# KiCad board Latest-Full-Backplane.kicad_pcb (continued)
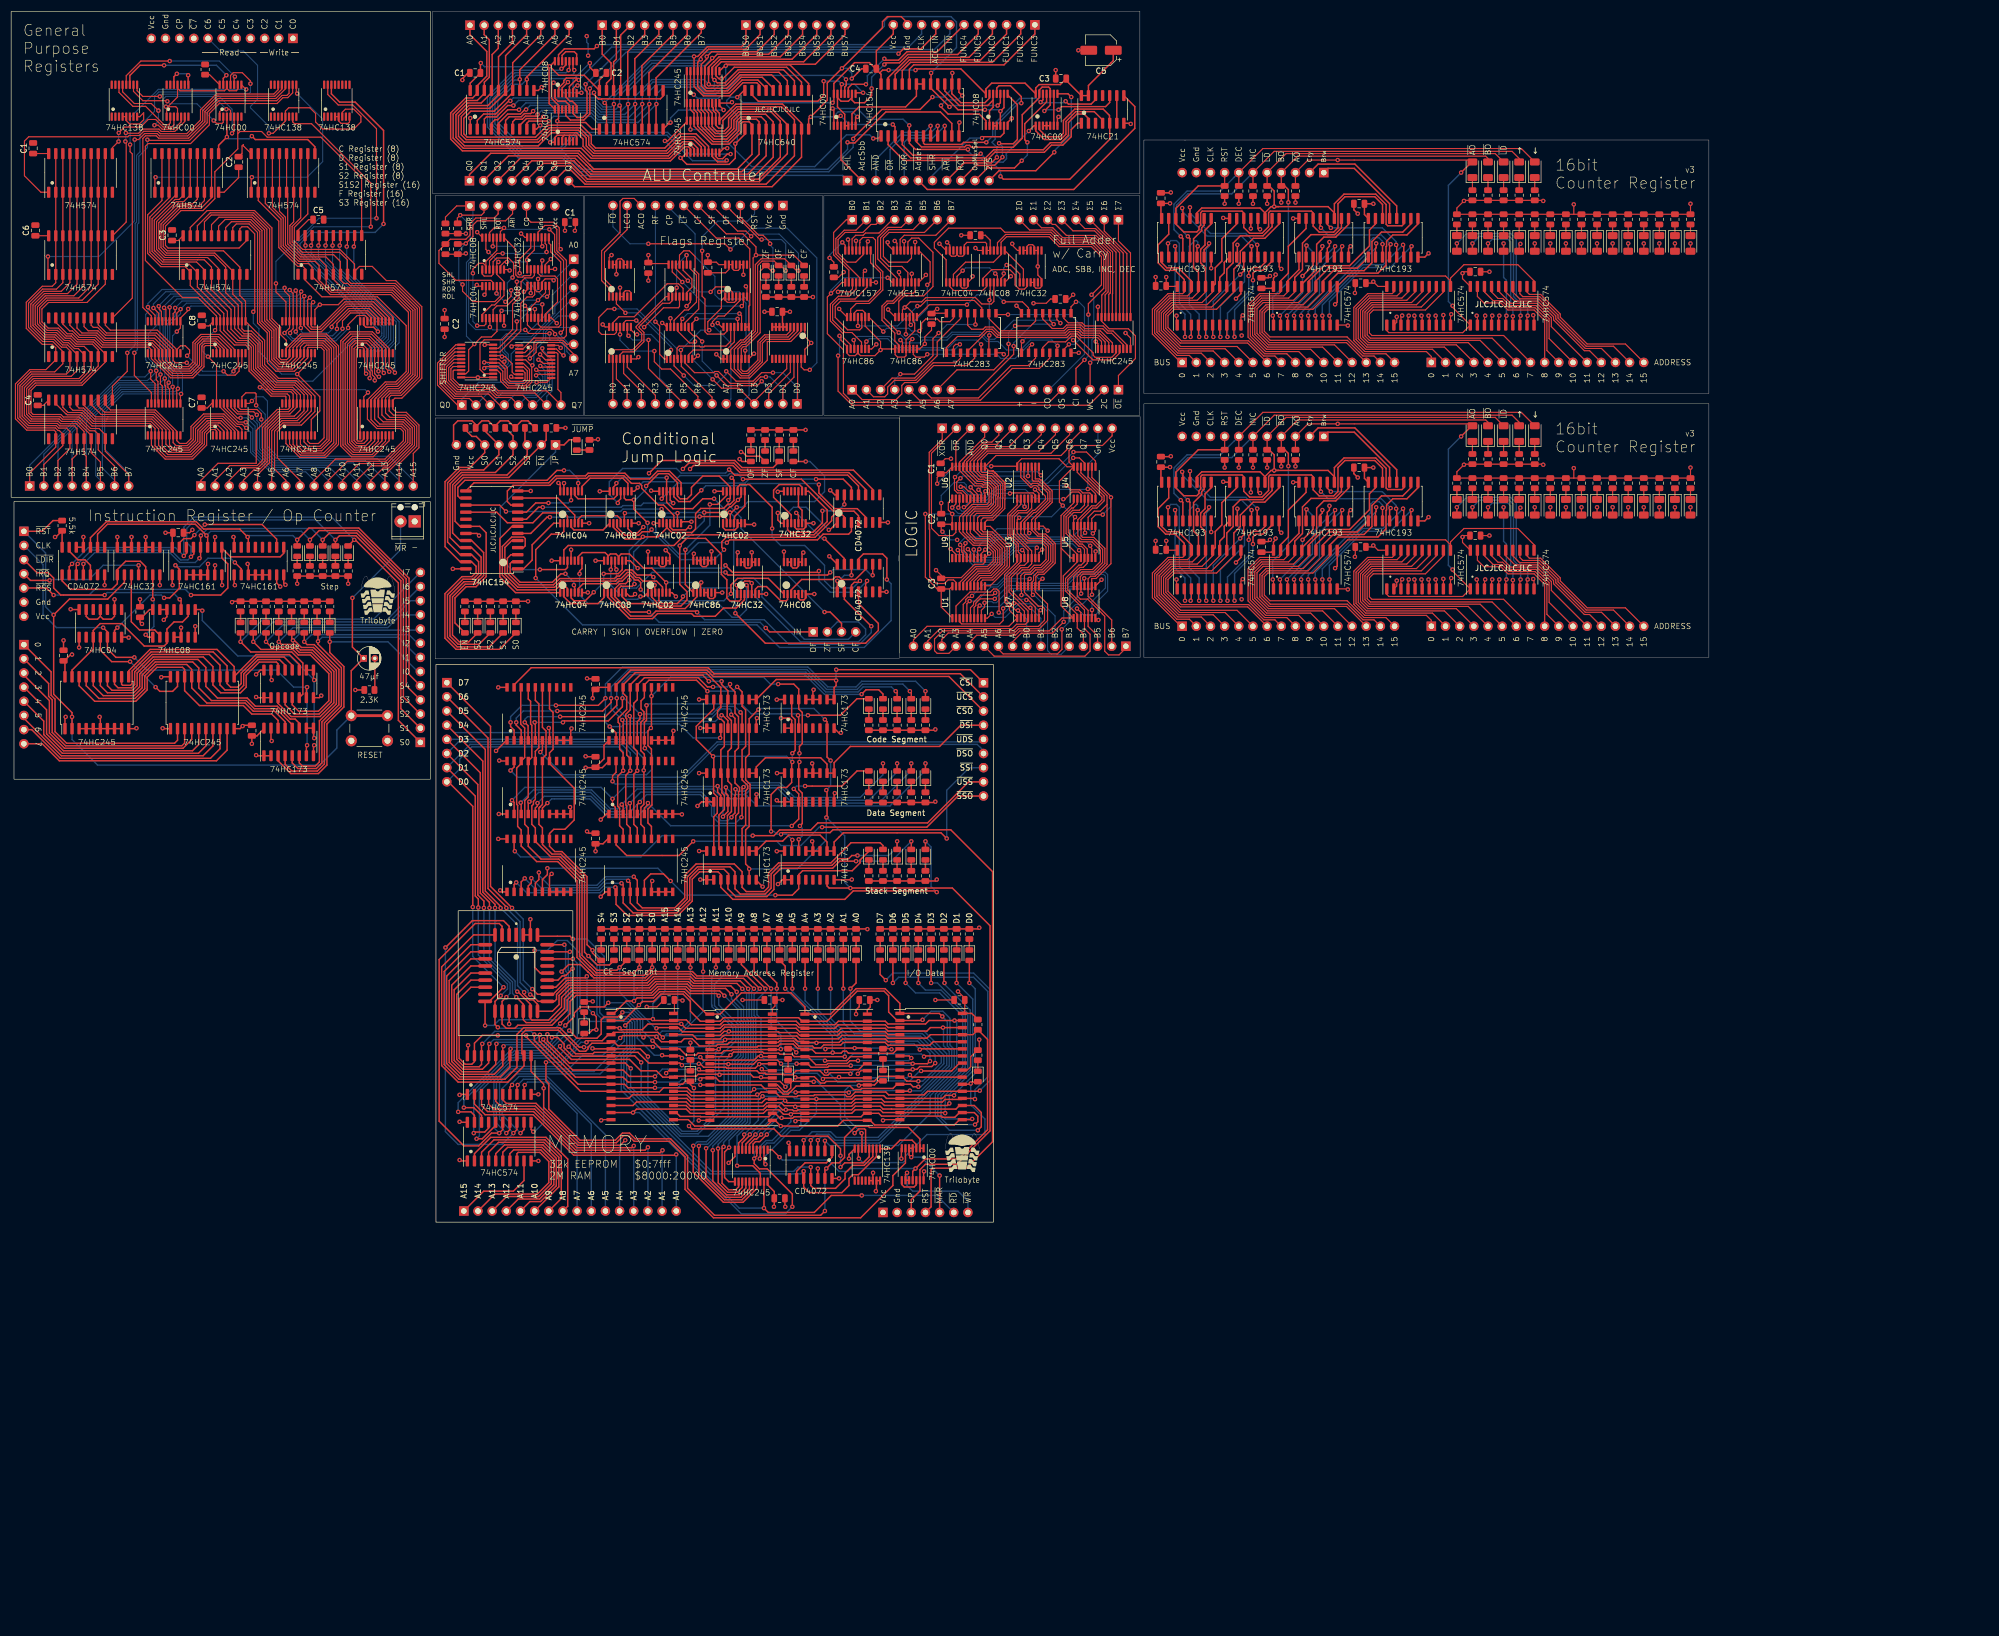
[diagram p0: board, top side]
## Nets (continued)
B0: J1#7.8 J2.1 J2#3.1 U1.2 U2#7.2 U3#9.2 U4#5.19 U7.2
B1: J1#7.7 J2.2 J2#3.2 U1.5 U2#7.5 U3#9.5 U4#5.18 U7.5
B2: J1#7.6 J2.3 J2#3.3 U1.11 U2#7.10 U3#9.10 U4#5.17 U7.10
B3: J1#7.5 J2.4 J2#3.4 U1.14 U2#7.13 U3#9.13 U4#5.16 U7.13
B4: J1#7.4 J2.5 J2#3.5 U2#4.2 U4#5.15 U4#6.2 U5#8.2 U8#3.2
B5: J1#7.3 J2.6 J2#3.6 U2#4.5 U4#5.14 U4#6.5 U5#8.5 U8#3.5
B6: J1#7.2 J2.7 J2#3.7 U2#4.11 U4#5.13 U4#6.10 U5#8.10 U8#3.10
B7: J1#7.1 J2.8 J2#3.8 J2#4.5 U2#4.14 U4#5.12 U4#6.13 U5#8.13 U8#3.13 U39.2
BO: J4#3.1 J4#6.1 U7#3.13 U7#6.13
BUS0: J1#2.1 J1#4.1 J2#2.1 J2#4.1 J2#7.1 J2#8.8 J4#2.1 U1#4.19 U1#11.19 U2.18 U2#5.15 U2#6.15 U2#9.2 U4#2.2 U4#2.19 U4#5.2 U5#2.2 U5#2.19 U5#10.18 U6.18 U6#2.2 U7#7.2 U7#9.2 U8#2.18 U8#6.18 U10#5.18 U11.13 U12#3.14 U15.18 U15#2.18 U16.18 U16#2.14 U19.18 U20.14 U23.18 U38.3
BUS1: J1#2.2 J1#4.2 J2#2.2 J2#4.2 J2#7.2 J2#8.7 J4#2.2 U1#4.18 U1#11.18 U2.17 U2#5.1 U2#6.1 U2#9.3 U4#2.3 U4#2.18 U4#5.3 U5#2.3 U5#2.18 U5#10.17 U6.17 U6#2.3 U7#7.3 U7#9.3 U8#2.17 U8#6.17 U10#5.17 U11.14 U12#3.13 U15.17 U15#2.17 U16.17 U16#2.13 U19.17 U20.13 U23.17 U38.6
BUS2: J1#2.3 J1#4.3 J2#2.3 J2#4.3 J2#7.3 J2#8.6 J4#2.3 U1#4.17 U1#11.17 U2.16 U2#5.10 U2#6.10 U2#9.4 U4#2.4 U4#2.17 U4#5.4 U5#2.4 U5#2.17 U5#10.16 U6.16 U6#2.4 U7#7.4 U7#9.4 U8#2.16 U8#6.16 U10#5.16 U11.15 U12#3.12 U15.16 U15#2.16 U16.16 U16#2.12 U19.16 U20.12 U23.16 U38.10
BUS3: J1#2.4 J1#4.4 J2#2.4 J2#4.4 J2#7.4 J2#8.5 J4#2.4 U1#4.16 U1#11.16 U2.15 U2#5.9 U2#6.9 U2#9.5 U4#2.5 U4#2.16 U4#5.5 U5#2.5 U5#2.16 U5#10.15 U6.15 U6#2.5 U7#7.5 U7#9.5 U8#2.15 U8#6.15 U10#5.15 U11.18 U12#3.11 U15.15 U15#2.15 U16.15 U16#2.11 U19.15 U20.11 U23.15 U38.13
BUS4: J1#2.5 J1#4.5 J2#2.5 J2#7.5 J2#8.4 J4#2.5 U1#4.15 U1#11.15 U2#9.6 U3#4.15 U3#8.15 U4#2.6 U4#2.15 U4#5.6 U5#2.6 U5#2.15 U5#10.14 U6.14 U6#2.6 U7#7.6 U7#9.6 U8#2.14 U8#6.14 U10#5.14 U11.19 U13.14 U15.14 U15#2.14 U16.14 U17.14 U19.14 U21#2.14 U23.14
BUS5: J1#2.6 J1#4.6 J2#2.6 J2#7.6 J2#8.3 J4#2.6 U1#4.14 U1#11.14 U2#9.7 U3#4.1 U3#8.1 U4#2.7 U4#2.14 U4#5.7 U5#2.7 U5#2.14 U5#10.13 U6.13 U6#2.7 U7#7.7 U7#9.7 U8#2.13 U8#6.13 U10#5.13 U11.20 U15.13 U16.13
BUS6: J1#2.7 J1#4.7 J2#2.7 J2#7.7 J2#8.2 J4#2.7 U1#4.13 U1#11.13 U2#9.8 U3#4.10 U3#8.10 U4#2.8 U4#2.13 U4#5.8 U5#2.8 U5#2.13 U5#10.12 U6.12 U6#2.8 U7#7.8 U7#9.8 U8#2.12 U8#6.12 U10#5.12 U11.21 U15.12 U16.12
BUS7: J1#2.8 J1#4.8 J2#2.8 J2#7.8 J2#8.1 J4#2.8 U1#4.12 U1#11.12 U2#9.9 U3#4.9 U3#8.9 U4#2.9 U4#2.12 U4#5.9 U5#2.9 U5#2.12 U5#10.11 U6.11 U6#2.9 U7#7.9 U7#9.9 U8#2.11 U8#6.11 U10#5.11 U11.22 U15.11 U16.11
BUS8: J2#2.9 J2#7.9 U4#8.19 U4#9.19 U5.15 U5#5.15
BUS9: J2#2.10 J2#7.10 U4#8.18 U4#9.18 U5.1 U5#5.1
BUS10: J2#2.11 J2#7.11 U4#8.17 U4#9.17 U5.10 U5#5.10
BUS11: J2#2.12 J2#7.12 U4#8.16 U4#9.16 U5.9 U5#5.9
BUS12: J2#2.13 J2#7.13 U4#8.15 U4#9.15 U7#3.15 U7#6.15
BUS13: J2#2.14 J2#7.14 U4#8.14 U4#9.14 U7#3.1 U7#6.1
BUS14: J2#2.15 J2#7.15 U4#8.13 U4#9.13 U7#3.10 U7#6.10
BUS15: J2#2.16 J2#7.16 U4#8.12 U4#9.12 U7#3.9 U7#6.9
CARRY_FLAG: D2#5.2 J4#5.4 U2#8.12 U3#10.13 U5#4.3 U7#4.1
CARRY_FLAG_IN: J4#4.4 U33.10
CARRY_OUT: J3#4.5 U4#7.6
CF: D1#5.2 J1#6.7 U1#6.3 U2.2
CLEAR: J4#3.8 J4#6.8 R18.2 R18#3.2 U2#5.14 U2#6.14 U3#4.14 U3#8.14 U5.14 U5#5.14 U7#3.14 U7#6.14
CLOCK: J1.3 J1#6.9 J3#7.2 J4#3.9 J4#6.9 J5.9 U1#2.2 U1#2.5 U1#4.11 U1#6.7 U1#7.5 U1#10.13 U1#11.11 U4#8.11 U4#9.11 U6#4.11 U6#5.11 U8.7 U8#5.11 U8#8.11 U9#2.7 U12#3.7 U13.7 U16#2.7 U17.7 U20.7 U21#2.7
CO: J4#3.2 J4#6.2 U7#3.12 U7#6.12
EN: D10.2 J3#5.2 R15#3.1 U13#2.18
INSTRUCTION0: D8#5.2 J2#6.6 U8.3
INSTRUCTION1: D7#4.2 J2#6.7 U8.4
INSTRUCTION2: D6#3.2 J2#6.8 U8.5
INSTRUCTION3: D5#4.2 J2#6.9 U8.6
INSTRUCTION4: D4#3.2 J2#6.10 U9#2.3
INSTRUCTION5: D3#5.2 J2#6.11 U9#2.4
INSTRUCTION6: D2#6.2 J2#6.12 U9#2.5
INSTRUCTION7: D1.2 J2#6.13 U9#2.6
LATCH_MAR: U1#10.6 U9#4.11 U10#3.11
LD_PC_COND: D1#2.2 J3#5.1 U4#4.12
LOGICAL_CARRY_OUT: J1#6.12 U35.2
MUX_CARRY: U1#6.14 U38.4
MUX_OVERFLOW: U1#6.12 U38.9
MUX_SIGN: U1#6.13 U38.7
MUX_ZERO: U1#6.11 U38.12
OF: D3.2 J1#6.5 U1#6.5 U2.4
OP0: U3#7.3 U5#6.6
OP1: U3#7.6 U5#6.2
OP2: U3#7.8 U5#6.15
OP3: U3#7.11 U5#6.11
OP4: U4#10.3 U6#7.6
OP5: U4#10.6 U6#7.2
OP6: U4#10.8 U6#7.15
OP7: U4#10.11 U6#7.11
OP_MUX_SEL: J4#4.5 U1.1 U2#4.1
OP_MUX_SELECT: J3.10 U7#2.11
OR_JA_JNBE: U5#4.10 U11#2.3
OR_JB_JNAE_JC: U3#10.11 U10#2.11
OR_JBE_JNA: U6#3.3 U11#2.2
OR_JE_JZ: U3#10.6 U10#2.9
OR_JG_JNLE: U6#3.11 U11#2.9
OR_JGE_JNL: U6#3.8 U11#2.5
OR_JL_JNGE: U9.4 U11#2.4
OR_JLE_JNG: U11#2.10 U14.3
OR_JNB_JAE_JNC: U2#8.13 U10#2.12
OR_JNE_JNZ: U2#8.4 U10#2.10
OR_JNO: U2#8.1 U10#2.3
OR_JNS: U2#8.10 U10#2.5
OR_JO: U3#10.3 U10#2.2
OR_JS: U3#10.8 U10#2.4
OR_JUMP: U1#8.2 U11#2.11
OVERFLOW: U37.11 U38.11
OVERFLOW_FLAG: D5.2 J4#5.1 U2#8.3 U3#10.2 U5#4.11 U6#3.4
Q0: J2#9.1 J6.1 JC.4 U1#3.18 U5#9.11 U5#10.2 U6.2 U6#6.18 U6#9.11 U9#5.18 U11#4.18
Q1: J2#9.2 J6.2 JC.5 U1#3.17 U5#9.12 U5#10.3 U6.3 U6#6.17 U6#9.12 U9#5.17 U11#4.17
Q2: J2#9.3 J6.3 JC.6 U1#3.16 U5#9.13 U5#10.4 U6.4 U6#6.16 U6#9.13 U9#5.16 U11#4.16
Q3: J2#9.4 J6.4 JC.7 U1#3.15 U5#9.14 U5#10.5 U6.5 U6#6.15 U6#9.14 U9#5.15 U11#4.15
Q4: J2#9.5 J6.5 JC.8 U1#3.14 U5#9.15 U5#10.6 U6.6 U6#6.14 U6#9.15 U9#5.14 U11#4.14
Q5: J2#9.6 J6.6 JC.9 U1#3.13 U5#9.16 U5#10.7 U6.7 U6#6.13 U6#9.16 U9#5.13 U11#4.13
Q6: J2#9.7 J6.7 JC.10 U1#3.12 U5#9.17 U5#10.8 U6.8 U6#6.12 U6#9.17 U9#5.12 U11#4.12
Q7: J2#9.8 J6.8 JC.11 U1#3.11 U5#9.18 U5#10.9 U6.9 U6#6.11 U6#9.18 U9#5.11 U11#4.11
REG0: D16.2 D16#2.2 U1#4.2 U1#11.2 U2#5.3 U2#6.3 U6#4.2 U6#5.2
REG1: D15.2 D15#2.2 U1#4.3 U1#11.3 U2#5.2 U2#6.2 U6#4.3 U6#5.3
REG2: D14.2 D14#2.2 U1#4.4 U1#11.4 U2#5.6 U2#6.6 U6#4.4 U6#5.4
REG3: D13#3.2 D13#4.2 U1#4.5 U1#11.5 U2#5.7 U2#6.7 U6#4.5 U6#5.5
REG4: D12.2 D12#3.2 U1#4.6 U1#11.6 U3#4.3 U3#8.3 U6#4.6 U6#5.6
REG5: D11.2 D11#3.2 U1#4.7 U1#11.7 U3#4.2 U3#8.2 U6#4.7 U6#5.7
REG6: D10#4.2 D10#5.2 U1#4.8 U1#11.8 U3#4.6 U3#8.6 U6#4.8 U6#5.8
REG7: D9#3.2 D9#4.2 U1#4.9 U1#11.9 U3#4.7 U3#8.7 U6#4.9 U6#5.9
REG8: D8#3.2 D8#4.2 U4#8.2 U4#9.2 U5.3 U5#5.3 U8#5.2 U8#8.2
REG9: D7.2 D7#2.2 U4#8.3 U4#9.3 U5.2 U5#5.2 U8#5.3 U8#8.3
REG10: D6#2.2 D6#5.2 U4#8.4 U4#9.4 U5.6 U5#5.6 U8#5.4 U8#8.4
REG11: D5#2.2 D5#5.2 U4#8.5 U4#9.5 U5.7 U5#5.7 U8#5.5 U8#8.5
REG12: D4#5.2 D4#6.2 U4#8.6 U4#9.6 U7#3.3 U7#6.3 U8#5.6 U8#8.6
REG13: D3#3.2 D3#4.2 U4#8.7 U4#9.7 U7#3.2 U7#6.2 U8#5.7 U8#8.7
REG14: D2.2 D2#4.2 U4#8.8 U4#9.8 U7#3.6 U7#6.6 U8#5.8 U8#8.8
REG15: D1#3.2 D1#4.2 U4#8.9 U4#9.9 U7#3.7 U7#6.7 U8#5.9 U8#8.9
RES0: J2#4.14 U36.2
RES1: J2#4.13 U36.3
RES2: J2#4.12 U36.5
RES3: J2#4.11 U36.6
RES4: J2#4.10 U36.8
RES5: J2#4.9 U36.9
RES6: J2#4.8 U36.11
RES7: J2#4.7 U36.12 U38.5 U39.1 U39.4
RESET: J1.4 J1#6.3 U1#6.15 U12#3.15 U13.15 U16#2.15 U17.15 U20.15 U21#2.15
RESTORE_FLAGS: J1#6.10 U38.1
ROTATE: U2#3.10 U3#3.2 U3#3.9
SEGMENT0: D5#3.2 U2#2.3 U4.2 U5#3.2 U6#8.2 U7#8.2 U14#2.18 U18.18 U22.18
SEGMENT1: D4#4.2 U2#2.4 U4.1 U5#3.1 U6#8.1 U7#8.1 U14#2.17 U18.17 U22.17
SEGMENT2: D3#6.2 U2#2.5 U4.30 U5#3.30 U6#8.30 U7#8.30 U14#2.16 U18.16 U22.16
SEGMENT3: D2#3.2 U2#2.10 U3#5.2 U14#2.15 U18.15 U22.15
SEGMENT4: D1#6.2 U2#2.11 U3#5.3 U14#2.14 U18.14 U22.14
SF: D2#2.2 J1#6.6 U1#6.4 U2.3
SF=OF: U4#4.9 U6#3.10 U6#3.13 U8#7.3 U9.6
SIGN_FLAG: D3#2.2 J4#5.3 U2#8.9 U3#10.10 U5#4.12 U6#3.5
STEP0: D12#2.2 J2#6.1 U2#11.2 U3#6.14
STEP1: D11#4.2 J2#6.2 U2#11.3 U3#6.13
STEP2: D10#2.2 J2#6.3 U2#11.4 U3#6.12
STEP3: D9.2 J2#6.4 U2#11.9 U3#6.11
STEP4: D13.2 J2#6.5 U2#11.10 U10.14
SUM0: J3#6.8 U7#5.18
SUM1: J3#6.7 U7#5.17
SUM2: J3#6.6 U7#5.16
SUM3: J3#6.5 U7#5.15
SUM4: J3#6.4 U7#5.14
SUM5: J3#6.3 U7#5.13
SUM6: J3#6.2 U7#5.12
SUM7: J3#6.1 U7#5.11
TWOS_COMP: J3.11 J4#4.2 U3#7.1 U3#7.4 U3#7.9 U3#7.12 U4#10.1 U4#10.4 U4#10.9 U4#10.12 U7#2.8 U33.4
ZERO: U37.8 U38.14
ZERO_FLAG: D4.2 J4#5.2 U2#8.6 U3#10.5 U5#4.9 U7#4.2 U7#4.5 U9.2
ZF: D4#2.2 J1#6.4 U1#6.6 U2.5
~{ADDER_OUT}: J4#4.1 U7#5.19 U32.1
~{ADDR_OUT}: D20#2.2 D20#3.2 J4#3.3 J4#6.3 R25#2.2 R25#3.2 U6#4.1 U6#5.1 U8#5.1 U8#8.1
~{ALU_OUT}: U5#10.19 U8#4.11
~{AND}: J3.3 JC.3 U3#2.8 U6#6.19
~{ARITHMETIC}: J3#4.4 R13#6.1 U2#3.9
~{ASSERT_CODE_SEG}: J4#7.3 U19.19
~{ASSERT_DATA_SEG}: J4#7.6 U15#2.19
~{ASSERT_STACK_SEG}: J4#7.9 U23.19
~{A}: U3#2.1 U11#4.19
~{BUS_OUT}: D18.2 D18#2.2 J4#3.4 J4#6.4 R1#4.2 R1#6.2 U1#4.1 U1#11.1 U4#8.1 U4#9.1
~{BUS_SEL}: U1#7.3 U5#7.3 U5#7.9 U6#10.19
~{DEC}: D19#2.2 D19#3.2 J4#3.7 J4#6.7 R27.1 R27#3.1 U2#5.4 U2#6.4
~{EN_CODE_SEG}: J4#7.2 U18.19
~{EN_DATA_SEG}: J4#7.5 U14#2.19
~{EN_STACK_SEG}: J4#7.8 U22.19
~{ENABLE}: U3#2.18 U3#2.19 U8#4.6
~{FLAG_OUT}: J1#6.13 U2.19
~{INC}: D21.2 D21#2.2 J4#3.6 J4#6.6 R28.1 R28#2.1 U2#5.5 U2#6.5
~{INT_REQUEST}: J3#7.4 U4#3.4
~{INVERT_OUT}: U6.19 U8#4.8 U8#4.12
~{JA_JNBE}: U5#4.2 U13#2.6
~{JB_JNAE_JC}: U1#8.11 U13#2.9
~{JBE_JNA}: U4#4.1 U13#2.7
~{JE_JZ}: U1#8.5 U13#2.11
~{JG_JNLE}: U9.3 U13#2.3
~{JGE_JNL}: U4#4.3 U13#2.4
~{JL_JNGE}: U9.5 U13#2.5
~{JLE_JNG}: U4#4.5 U13#2.2
~{JNB_JAE_JNC}: U2#8.11 U13#2.8
~{JNE_JNZ}: U2#8.5 U13#2.10
~{JNO}: U2#8.2 U13#2.15
~{JNS}: U2#8.8 U13#2.13
~{JO}: U1#8.3 U13#2.16
~{JS}: U1#8.9 U13#2.14
~{J}: U1#8.1 U13#2.1
~{LATCH_ACCUMULATOR}: J5.8 U12.11
~{LATCH_B}: J5.7 U12.9
~{LATCH_CODE_SEG}: J4#7.1 U16#2.9 U16#2.10 U17.9 U17.10
~{LATCH_DATA_SEG}: J4#7.4 U12#3.9 U12#3.10 U13.9 U13.10
~{LATCH_FLAGS}: J1#6.8 U1#6.9 U1#6.10
~{LATCH_MAR}: J1.5 U1#10.4 U1#10.5
~{LATCH_STACK_SEG}: J4#7.7 U20.9 U20.10 U21#2.9 U21#2.10
~{LD_IR}: J3#7.3 U5#7.10
~{LOAD}: D22.2 D22#3.2 J4#3.5 J4#6.5 R24.2 R24#3.2 U2#5.11 U2#6.11 U3#4.11 U3#8.11 U5.11 U5#5.11 U7#3.11 U7#6.11
~{OR}: J3.4 JC.2 U3#2.9 U9#5.19
~{RAM_EN0}: D17.2 U3#5.4 U4.22
~{RAM_EN1}: D16#3.2 U3#5.5 U5#3.22
~{RAM_EN2}: D15#3.2 U3#5.6 U6#8.22
~{RAM_EN3}: D14#3.2 U3#5.7 U7#8.22
~{RAM_WRITE}: R34.1 U1#10.11 U4.29 U5#3.29 U6#8.29 U7#8.29 U8#6.1
~{READ}: J1.6 U8#6.19 U11.25
~{RESET_STEP}: J3#7.5 U3#6.9 U10.9
~{RESET}: C5#4.1 J3#7.1 J4.2 R1#5.1 SW1.1 U4#3.2 U6#10.2
~{ROTATE}: J3#4.3 R10#3.1 U2#3.11
~{SHIFTER_ARI}: J3.8 U9#3.11
~{SHIFTER_ROT}: J3.9 U9#3.8
~{SHIFTER_SHL}: J3.1 U1#2.11
~{SHIFTER_SHR}: J3.7 U9#3.6
~{SHL}: J3#4.2 R11#2.1 U2#3.5 U5#9.19
~{SHR}: J3#4.1 R12#5.1 U2#3.3 U6#9.19
~{WRITE}: J1.7 U1#10.9 U1#10.10
~{XOR}: J3.5 JC.1 U1#3.19 U3#2.10
Net-(C5-Pad2): C5#4.2 R15#2.1
Net-(D1-Pad1): D1.1 D1#2.1 D1#3.1 D1#4.1 D1#5.1 D1#6.1 R1#2.2 R1#3.1 R1#7.1 R2.1 R2#2.1 R2#3.1
Net-(D2-Pad1): D2.1 D2#2.1 D2#3.1 D2#4.1 D2#5.1 D2#6.1 R2#4.1 R2#5.1 R2#6.2 R3.1 R3#3.1 R3#6.1
Net-(D3-Pad1): D3.1 D3#2.1 D3#3.1 D3#4.1 D3#5.1 D3#6.1 R3#2.1 R3#4.1 R3#5.2 R4.1 R4#2.1 R4#3.1
Net-(D4-Pad1): D4.1 D4#2.1 D4#3.1 D4#4.1 D4#5.1 D4#6.1 R4#4.2 R4#5.1 R4#6.1 R5.1 R5#4.1 R5#5.1
Net-(D5-Pad1): D5.1 D5#2.1 D5#3.1 D5#4.1 D5#5.1 R5#2.2 R5#3.1 R6#2.1 R6#4.1 R6#5.1
Net-(D6-Pad1): D6.1 D6#2.1 D6#3.1 D6#4.1 D6#5.1 R6.1 R6#3.2 R7.1 R7#4.1 R7#5.1
Net-(D7-Pad1): D7.1 D7#2.1 D7#3.1 D7#4.1 D7#5.1 R7#2.1 R7#3.2 R8.1 R8#3.1 R8#5.1
Net-(D8-Pad1): D8.1 D8#2.1 D8#3.1 D8#4.1 D8#5.1 R8#2.2 R8#4.1 R9.1 R9#3.1 R9#5.1
Net-(D9-Pad1): D9.1 D9#2.1 D9#3.1 D9#4.1 D9#5.1 R9#2.2 R9#4.1 R10#2.1 R10#5.1 R10#6.1
Net-(D10-Pad1): D10.1 D10#2.1 D10#3.1 D10#4.1 D10#5.1 R10.2 R10#4.1 R11#4.1 R11#5.1 R11#6.1
Net-(D11-Pad1): D11.1 D11#2.1 D11#3.1 D11#4.1 R11#3.2 R12#2.1 R12#4.1 R12#6.1
Net-(D12-Pad1): D12.1 D12#2.1 D12#3.1 D12#4.1 R12#3.2 R13.1 R13#2.1 R13#4.1
Net-(D13-Pad1): D13.1 D13#2.1 D13#3.1 D13#4.1 R13#5.2 R14.1 R14#2.1 R14#5.1
Net-(D14-Pad1): D14.1 D14#2.1 D14#3.1 R14#3.2 R15.1 R15#4.1
Net-(D15-Pad1): D15.1 D15#2.1 D15#3.1 R15#5.2 R16.1 R16#2.1
Net-(D16-Pad1): D16.1 D16#2.1 D16#3.1 R16#3.2 R19.1 R19#2.1
Net-(D17-Pad1): D17.1 R17#3.2
Net-(D18-Pad1): D18.1 D18#2.1 D18#3.1 R18#2.2 R20.1 R20#3.1
Net-(D19-Pad1): D19.1 D19#2.1 D19#3.1 R19#3.2 R21.1 R21#3.1
Net-(D20-Pad1): D20.1 D20#2.1 D20#3.1 R20#2.2 R22.1 R22#2.1
Net-(D21-Pad1): D21.1 D21#2.1 D21#3.1 R21#2.2 R23.1 R23#3.1
Net-(D22-Pad1): D22.1 D22#2.1 D22#3.1 R17.1 R17#2.1 R22#3.2
Net-(D23-Pad1): D23.1 R23#2.2
Net-(D24-Pad1): D24.1 R24#2.2
Net-(D25-Pad1): D25.1 R25.2
Net-(D26-Pad1): D26.1 R26.2
Net-(D27-Pad1): D27.1 R27#2.2
Net-(D28-Pad1): D28.1 R28#3.2
Net-(D29-Pad1): D29.1 R29.2
Net-(D30-Pad1): D30.1 R30.2
Net-(D31-Pad1): D31.1 R31.2
Net-(D32-Pad1): D32.1 R32.2
Net-(D33-Pad1): D33.1 R33.2
Net-(D34-Pad1): D34.1 R35.2
Net-(D35-Pad1): D35.1 R36.2
Net-(D36-Pad1): D36.1 R37.2
Net-(D37-Pad1): D37.1 R38.2
Net-(D38-Pad1): D38.1 R39.2
Net-(D39-Pad1): D39.1 R40.2
Net-(D40-Pad1): D40.1 R41.2
Net-(D41-Pad1): D41.1 R42.2
Net-(D42-Pad1): D42.1 R43.2
Net-(D43-Pad1): D43.1 R44.2
Net-(D44-Pad1): D44.1 R45.2
Net-(D45-Pad1): D45.1 R46.2
Net-(D46-Pad1): D46.1 R47.2
Net-(D47-Pad1): D47.1 R48.2
Net-(D48-Pad1): D48.1 R49.2
Net-(D49-Pad1): D49.1 R50.2
Net-(U1-Pad1): U1#2.1 U12.10
Net-(U1-Pad2): U1#3.2 U7.3
Net-(U1-Pad3): U1#2.3 U1#5.3 U1#10.3 U2#9.11 U3#5.1 U4#7.9
Net-(U1-Pad4): U1.4 U1#2.4 U1#7.4 U1#8.4 U3#7.2 U3#10.1 U7#9.19 U12.8
Net-(U1-Pad6): U1#2.6 U1#7.6 U1#8.6 U3#6.2 U3#10.4 U4#5.11 U10.2
Net-(U1-Pad7): U1.7 U3#7.5
Net-(U1-Pad8): U1#5.8 U1#8.8 U3#10.9 U4#7.2
Net-(U1-Pad9): U1.9 U3#7.10
Net-(U1-Pad10): U1#8.10 U3#10.12
Net-(U1-Pad11): U1#5.11 U4#7.10
Net-(U1-Pad12): U1.12 U1#2.8 U1#2.12 U1#10.8 U1#10.12 U3#7.13
Net-(U2-Pad1): U2#2.1 U2#2.9
Net-(U2-Pad4): U2#3.4 U2#4.4 U3#3.13 U4#10.2
Net-(U2-Pad6): U2#3.6 U3#3.5
Net-(U2-Pad7): U2#4.7 U4#10.5
Net-(U2-Pad9): U2#4.9 U4#10.10
Net-(U2-Pad12): U2#4.12 U2#5.12 U2#6.12 U3#4.5 U3#8.5 U4#10.13
Net-(U2-Pad13): U2#5.13 U2#6.13 U2#11.5 U2#11.13 U3#4.4 U3#8.4
Net-(U3-Pad3): U3#3.3 U3#9.3 U5#9.9 U9#5.2
Net-(U3-Pad4): U3#3.4 U4#7.8
Net-(U3-Pad6): U3#3.6 U3#9.6 U4#7.4 U9#5.3
Net-(U3-Pad8): U3#3.8 U3#9.8 U4#7.13 U9#5.4
Net-(U3-Pad11): U3#3.11 U3#9.11 U4#7.5 U9#5.5
Net-(U3-Pad12): U3#4.12 U3#8.12 U5.5 U5#5.5
Net-(U3-Pad13): U3#4.13 U3#8.13 U5.4 U5#5.4
Net-(U4-Pad2): U4#4.2 U6#3.1
Net-(U4-Pad3): U4#3.3 U4#7.3 U5#7.2 U5#9.2
Net-(U4-Pad6): U4#3.6 U5#7.1
Net-(U4-Pad8): U4#4.8 U7#4.4
Net-(U4-Pad11): U4#7.11 U6#9.2
Net-(U5-Pad1): U5#4.1 U5#4.5 U5#4.6 U5#6.1 U7#5.3
Net-(U5-Pad3): U5#8.3 U9#5.6
Net-(U5-Pad4): U5#4.4 U5#4.8 U5#6.4 U7#5.2
Net-(U5-Pad6): U5#8.6 U9#5.7
Net-(U5-Pad8): U5#7.8 U5#8.8 U8.9 U8.10 U9#2.9 U9#2.10 U9#5.8
Net-(U5-Pad9): U5#6.9 U6#7.7
Net-(U5-Pad10): U5#6.10 U7#5.5
Net-(U5-Pad11): U5#8.11 U9#5.9
Net-(U5-Pad12): U5.12 U5#5.12 U7#3.5 U7#6.5
Net-(U5-Pad13): U5.13 U5#4.13 U5#5.13 U5#6.13 U7#3.4 U7#5.4 U7#6.4 U8#7.1
Net-(U6-Pad1): U6#7.1 U7#5.7
Net-(U6-Pad2): U2#7.3 U6#3.2 U6#6.2 U7#4.3
Net-(U6-Pad3): U2#7.6 U6#6.3
Net-(U6-Pad4): U2#7.8 U6#6.4 U6#7.4 U7#5.6
Net-(U6-Pad5): U2#7.11 U6#6.5
Net-(U6-Pad6): U4#6.3 U6#3.6 U6#6.6 U8#7.2
Net-(U6-Pad7): U4#6.6 U6#6.7
Net-(U6-Pad8): U4#6.8 U6#6.8
Net-(U6-Pad9): U4#4.4 U4#6.11 U6#3.9 U6#6.9
Net-(U6-Pad10): U6#7.10 U7#5.9
Net-(U6-Pad12): U6#3.12 U9.1
Net-(U6-Pad13): U6#7.13 U7#5.8
Net-(U7-Pad3): U7#2.3 U7#2.4 U7#2.5
Net-(U7-Pad6): U1#3.3 U7.6 U7#2.6 U7#2.9
Net-(U7-Pad8): U1#3.4 U7.8
Net-(U7-Pad11): U1#3.5 U7.11
Net-(U8-Pad3): U1#3.6 U8#3.3
Net-(U8-Pad6): U1#3.7 U8#3.6
Net-(U8-Pad8): U1#3.8 U8#3.8
Net-(U8-Pad11): U1#3.9 U8#3.11
Net-(U9-Pad3): U9#3.3 U9#3.4
Net-(U10-Pad1): U10#2.1 U12#4.1
Net-(U10-Pad6): U10#4.6 U10#4.9
Net-(U10-Pad10): U3#6.15 U10.10
Net-(U10-Pad13): U10#2.13 U12#4.2
Net-(U11-Pad1): U11#2.1 U11#2.12
Net-(U11-Pad13): U11#2.13 U12#4.5
Net-(U12-Pad3): U12#4.3 U12#4.9
Net-(U12-Pad8): U4#4.13 U12#4.8
Net-(U12-Pad10): U12#4.6 U12#4.10
Net-(U14-Pad1): U4#4.6 U14.1
Net-(U14-Pad2): U7#4.6 U14.2
Net-(U32-Pad2): U32.2 U33.2
Net-(U32-Pad4): U32.4 U33.5
Net-(U32-Pad6): U32.6
Net-(U32-Pad8): U32.8
Net-(U32-Pad10): U32.10
Net-(U32-Pad12): U32.12
Net-(U33-Pad1): U33.1 U34.3
Net-(U33-Pad6): U33.6 U34.1
Net-(U33-Pad8): U33.8 U34.2
Net-(U33-Pad11): U33.11
Net-(U34-Pad6): U34.6
Net-(U34-Pad8): U34.8
Net-(U34-Pad11): U34.11
Net-(U35-Pad3): U35.3 U38.2
Net-(U36-Pad1): U36.1 U37.1
Net-(U36-Pad4): U36.4 U37.2
Net-(U36-Pad10): U36.10 U37.4
Net-(U36-Pad13): U36.13 U37.5
Net-(U37-Pad3): U37.3 U37.9
Net-(U37-Pad10): U37.6 U37.10
Net-(U37-Pad12): U37.12 U39.3
Net-(U37-Pad13): U37.13 U39.6

Pads without a net: J3#3 1 2 3 4 5 6 7 8 9; R1 1; U1#7 2 8 10 12; U1#8 12; U1#9 1 11; U2 11 12 13 14; U2#2 6 8; U2#3 12; U2#10 1 2 3 6 7 9 10 11 12 13 14 15; U2#11 6 8; U3 1 2 3 5 7 9 10 11 12 13 14 15; U3#5 9 10 11 12; U4#2 1 11; U4#3 8 11; U4#4 10; U5#2 1 11; U5#7 6 11; U6#2 11 12 13 14 15 16 17 18 19; U7#4 8 11; U7#7 11 12 13 14 15 16 17 18 19; U8#2 2 3 4 5 6 7 8 9 19; U8#7 6 8 11; U9 10 13; U9#6 2 3 4 5 6 7 8 9 19; U10 11 12 13 15; U10#2 6 8; U10#4 3 11; U10#5 2 3 4 5 6 7 8 9 19; U11 1 12 17 26; U11#2 6 8; U11#3 2 3 4 5 6 7 8 9 19; U12 2 4 6 12; U12#2 11 12 13 14 15 16 17 18 19; U12#4 11; U13 4 5 6; U13#2 17; U13#3 1 11; U14 6 8 11; U14#2 11 12 13; U14#3 11 12 13 14 15 16 17 18 19; U15 2 3 4 5 6 7 8 9 19; U15#2 11 12 13; U16 2 3 4 5 6 7 8 9 19; U17 4 5 6; U17#2 2 3 4 5 6 7 8 9 19; U18 11 12 13; U18#2 2 3 4 5 6 7 8 9 19; U19 11 12 13; U19#2 1 2 3 6 7 9 10 11 12 13 14 15; U20#2 1 2 3 4 5 6 8 9 10 11 12 13; U21 1 2 3 4 5 6 8 9 10 11 12 13; U21#2 4 5 6; U22 11 12 13; U23 11 12 13; U35 6 8 11; U39 8 11

## Via types
v1: diameter 0.8, hole 0.4, Top to Bottom, 1433 vias

## Routing (per net, layer and track width the routed paths; a pad name or vN(x,y) marks a point on that pad's centre or on a via; arc(x,y) is an arc through that point)
GND: length 1000.9
  Top w0.2: v1(168.59,136.89) 167.56,136.89 C1#3.2 ; v1(239.78,113.46) 239.68,113.56 U4#8.10 ; v1(183.66,131.38) 183.67,131.38 184.36,130.69 U2#7.7 ; U5#3.24 134.94,27.15 v1(134.65,27.44) ; v1(151.88,26.6) 152.43,27.15 U6#8.24 ; U2#4.8 164.08,169.79 v1(164.08,169.85) ; v1(273.03,115.32) 273.18,115.18 U8#5.10 ; v1(172.47,169.6) 172.47,169.36 U32.7 171.62,167.77 171.32,167.47 170.62,167.47 170.32,167.77 U32.5 ; U4.16 105.97,18.38 v1(105.84,18.25) ; U4#10.7 162.98,156.57 v1(163.9,157.49) 163.9,158.74 165.1,159.94 C4#7.2 ; v1(184.94,120.59) 184.36,120.02 U3#9.7 ; R16#3.1 140.19,31.1 v1(140.84,30.45) ; v1(301.24,182.61) R19#2.2 280.31,180.73 ; C4#4.2 v1(131.2,39.84) ; 280.31,133.42 v1(280.31,135.2) ; 280.31,133.42 R2#3.2 259.33,134.54 v1(260.6,135.81) 260.71,135.92 R22#2.2 R21#3.2 274.72,135.92 v1(274.83,135.81) ; 280.31,133.42 R19.2 v1(301.24,135.31) ; v1(97.56,170.92) 97.51,170.86 U4#7.7 ; v1(121.16,164.26) 121.84,164.94 U37.7 ; v1(123.34,18.23) 123.36,18.25 U5#3.16 ; U35.9 U35.10 109.87,172.35 109.49,172.73 108.87,172.73 108.57,172.43 U35.12 ; U7#5.10 200.79,158.54 v1(199.9,159.44) ; R15#5.1 157.81,31.1 v1(157.91,31) ; v1(140.68,18.11) 140.82,18.25 U6#8.16 ; v1(123.19,155.37) 122.61,154.8 U38.8 ; v1(109.22,167.56) U35.4 U35.5 109.87,166.71 110.17,167.01 110.87,167.01 111.17,166.71 U35.7 ; v1(190.5,166.29) 189.74,165.53 C2#6.2 ; v1(158.5,175.95) 158.9,175.54 U2#4.15 ; U35.12 v1(108.57,169.96) ; U35.12 U35.13 ; U2#10.4 U2#10.5 20.64,197.52 21.25,196.92 23.01,196.92 23.77,197.68 23.77,198.92 23.07,198.23 U2#10.8 ; v1(174.77,131.08) 174.66,130.96 U6#6.10 ; U2#3.13 85.16,166.56 v1(84.9,166.3) ; C5#3.2 v1(165.79,39.84) ; R17#3.1 121.84,32.18 v1(121.84,32.18) ; v1(117.49,26.72) 118.05,27.28 U4.24 ; v1(195.04,107.98) 194.84,107.98 U8#3.7 ; v1(77.75,163.55) 77.75,163.04 77.76,163.04 C2#5.1 ; U5#6.8 177.79,155.89 v1(178.05,155.63) ; C3#2.2 148.4,169.41 v1(149.35,170.36) ; v1(175.89,109.07) 175.12,108.3 174.69,108.3 ; U5#9.10 84.99,157.33 84.97,157.31 v1(84.95,157.31) ; v1(274.83,183.12) 274.72,183.22 R21.2 R22.2 260.71,183.22 v1(260.6,183.12) 259.33,181.85 R2.2 280.31,180.73 ; U36.7 112.2,154.8 v1(112.52,155.12) ; U7#8.24 171.51,27.28 172.14,27.9 172.14,29.68 173.3,30.85 R14#3.1 173.66,31.1 v1(173.66,32.73) ; C2#8.2 v1(166.84,128.94) ; U19#2.8 60.7,197.27 60.45,197.03 59.18,197.03 58.74,197.47 U19#2.5 U19#2.4 ; U1#6.2 U1#6.1 127.32,154.8 v1(126.49,155.63) ; v1(193.14,131.47) 193.66,131.47 194.51,130.62 U4#6.7 ; C6#2.2 115.85,38.61 v1(114.01,38.61) ; U6#5.10 258.19,162.67 v1(258.32,162.8) ; v1(150.11,176.2) 150.27,176.05 U1.15 ; U1#5.7 89.27,170.81 v1(89.42,170.66) ; U7#8.16 156.51,18.38 v1(156.39,18.25) ; v1(273.03,162.63) 273.18,162.48 U8#8.10 ; v1(97.87,161.2) 96.91,162.16 U3#3.7 ; v1(165.9,116.91) 166.84,115.98 C3.2 166.96,115.57 170.44,115.57 172.84,117.97 174.31,117.97 174.66,118.32 U9#5.10 175.44,119.86 v1(175.44,119.89) ; U39.7 132,167.61 v1(131.8,167.81) ; 169.67,173.5 169.97,173.2 170.67,173.2 170.97,173.5 U32.9 170.97,175.21 171.45,175.69 174.75,175.69 174.98,175.47 U33.13 U33.12 175.63,176.09 174.75,176.96 C1#5.2 ; 169.67,173.5 169.37,173.2 168.67,173.2 168.37,173.5 U32.13 168.37,175.21 v1(167.89,175.69) ; 169.67,173.5 U32.11 ; U3#7.7 154.36,156.57 v1(155.19,157.4) ; U33.7 v1(179.32,169.61) ; v1(239.78,160.77) 239.68,160.86 U4#9.10 ; U1#4.10 220.6,114.97 v1(220.93,115.29) ; v1(88.42,160.76) 88.41,160.77 U2#3.7 ; C9#2.2 v1(205.3,122.16) ; v1(89.69,151.61) 89.93,151.38 U6#9.10 ; U1#9.10 38.19,184.68 40.81,187.29 C2.2 ; C4#3.2 241.11,166.93 241.05,166.86 v1(241.05,166.61) ; 280.31,180.73 v1(280.31,182.51) ; v1(131.35,169.88) U39.9 U39.10 130.7,170.96 130.4,170.66 129.7,170.66 129.4,170.96 U39.12 U39.13 128.75,170.84 128.15,170.24 C3#6.2 ; C1#9.2 v1(265.18,123.11) ; U7.7 184.36,109.59 184.51,109.74 v1(184.66,109.74) ; v1(194.54,120.28) 194.49,120.23 U5#8.7 ; U38.15 v1(118.26,162.08) ; v1(99.34,177.77) 99.31,177.81 C1#6.1 ; 132.32,154.8 v1(133.25,155.72) ; U1#11.10 220.6,162.27 v1(220.93,162.6) ; U6#4.10 258.19,115.37 v1(258.32,115.49) ; U1.8 v1(155.13,168.51) ; U34.13 U34.12 182.23,174.97 182.53,175.27 183.23,175.27 183.53,174.97 U34.10 U34.9 184.18,171.4 v1(184.15,171.37) 184.18,169.81 184.83,169.16 U34.7 184.83,167.77 184.53,167.47 183.83,167.47 183.53,167.77 U34.5 U34.4 ; U6#7.8 v1(191.51,155.89) ; C9.2 v1(205.3,169.47) ; C4#2.2 241.11,119.62 241.05,119.56 v1(241.05,119.3) ; C1#2.2 v1(265.18,170.42) ; R18.1 217.32,183.98 ; R18#3.1 217.32,136.68 ; C1#10.2 v1(114.3,168.83)
  Top w0.25: U2#11.7 v1(16.76,114.22) ; v1(102.28,202.52) 102.21,202.45 U1#2.7 ; 16,108.64 U1#7.11 ; 16,108.64 15.49,108.13 13.97,108.13 13.46,108.64 U1#7.13 ; 16,108.64 16.51,108.13 18.03,108.13 18.54,108.64 U1#7.9 v1(18.54,111.68) ; U4#4.11 v1(100.44,120.57) ; v1(96.95,62.45) 96.57,62.06 96.57,59.22 U22.10 ; v1(100.25,74.42) 100.38,74.29 U14#2.10 96.57,73.19 ; U9.12 U9.11 116.19,117.87 116.52,117.55 117.17,117.55 117.49,117.87 U9.9 U9.8 118.14,119.76 v1(117.41,120.48) ; v1(96.69,193.63) 97.35,193.63 U12.1 97.54,194.5 97.93,194.9 99.23,194.9 ; v1(119.24,112.19) 118.54,112.89 U9.7 ; v1(103.05,83.53) 103.11,83.46 C1#7.2 ; v1(133.28,125.09) 131.84,125.09 U5#4.7 ; v1(128.44,192.57) 127.85,192.57 U11#4.10 ; U13#2.19 83.55,123.5 v1(83.93,123.11) ; v1(151.56,37.3) 151.56,38.06 152.14,38.64 C7#4.2 ; U1#10.7 159.69,13.16 v1(159.69,11.39) ; C1#8.2 81.96,206.07 80.69,204.8 v1(80.95,204.8) ; 147.62,88.57 148.45,87.75 v1(148.85,87.75) ; U11.16 v1(89.33,35.52) ; v1(82.35,197.97) 82.35,196.01 U2#9.1 ; v1(179.5,197.94) 178.75,197.19 U9#3.7 ; v1(200.83,196.93) 200.7,197.06 U10#4.7 ; 143.81,93.72 143.81,95.34 v1(143.94,95.47) ; U5#7.7 v1(33.02,106.86) ; U9#2.15 46.61,97.33 v1(46.74,97.21) ; v1(254.25,173.72) 253.59,173.05 U7#6.8 ; v1(173.66,52.79) 173.45,52.59 R13#5.1 R6#3.1 ; U1#8.13 99.14,132.23 99.17,132.26 v1(99.17,132.51) ; v1(43.94,83.74) 44.05,83.63 U8.1 U8.2 ; 99.23,194.9 100.25,194.9 ; 99.23,194.9 98.84,194.5 U12.3 ; v1(125.62,120.29) U8#7.9 U8#7.10 124.97,117.87 124.64,117.55 123.99,117.55 123.67,117.87 U8#7.12 U8#7.13 ; U4#5.10 117.88,196.93 118.28,196.93 v1(118.28,197.18) ; U5#7.4 U5#7.5 v1(30.48,106.6) ; v1(22.48,88.57) 22.4,88.49 U6#10.10 ; U19.7 U19.10 118.67,87.97 v1(118.8,88.1) ; 140,75.37 U13.1 137.63,75.37 v1(137.34,75.65) ; v1(103.3,97.5) 103.37,97.43 C2#3.2 ; U14.13 U14.12 139.92,117.62 140.25,117.29 140.9,117.29 141.22,117.62 U14.10 U14.9 141.87,119.84 v1(142.1,120.07) ; v1(123.11,74.63) 123.85,75.37 U12#3.2 ; v1(92.72,111.33) R6.2 R10#4.2 ; v1(43.94,94.16) 44.05,94.05 U9#2.1 U9#2.2 ; U21#2.12 143.81,68.16 v1(143.69,68.29) ; v1(144.06,112.63) U14.7 142.52,111.89 142.2,111.57 141.55,111.57 141.22,111.89 U14.5 U14.4 ; v1(100.51,88.51) 100.38,88.39 U18.10 U18.8 ; U7#2.7 187.69,198 v1(187.88,198.2) ; U17.1 140,88.57 140,90 139.62,90.39 v1(138.1,90.39) ; U7#3.8 253.59,125.75 v1(254.25,126.42) ; v1(114.99,61.18) 114.86,61.05 U23.7 U23.10 ; U9#2.8 55.26,94.05 v1(55.63,94.41) ; U2#11.12 U2#11.11 v1(12.95,122.86) ; v1(138.86,2.76) 138.8,2.82 C8.2 ; v1(165.79,75.4) 165.64,75.25 R36.1 ; U7#4.7 v1(135.43,112.63) ; U5.8 239.9,127.31 v1(240.28,127.69) ; R1#2.1 R33.1 153.55,52.59 v1(153.59,52.54) ; v1(225.81,169.66) 225.49,169.34 C7#2.2 ; C3#7.2 240.86,181.53 v1(241.55,180.83) ; v1(123.62,88.61) 123.66,88.57 U16#2.2 U16#2.1 ; U8.15 46.61,86.41 v1(46.74,86.28) ; v1(227.84,170.93) 227.46,171.31 U3#8.8 ; J5.10 160.78,215.04 159.65,216.17 157.2,216.17 156.3,215.27 156.3,214.17 146.4,204.27 146.4,201.17 v1(143.43,198.2) 143.05,197.82 U6.10 ; v1(150.8,61.43) 150.76,61.4 147.62,61.4 ; v1(208.03,137.34) 207.77,137.34 207.71,137.27 C2#7.2 ; U2#2.12 v1(144.7,9.61) ; U11#2.7 v1(157.02,113.02) ; v1(142.5,142.06) R2#5.2 R5#3.2 ; 111.8,112.89 111.8,112.73 v1(111.92,112.62) 111.52,112.22 110.94,112.22 U6#3.7 ; U12#3.8 133.66,76.66 v1(133.7,76.71) ; U7#4.13 U7#4.12 131.54,117.62 131.87,117.29 132.52,117.29 132.84,117.62 U7#4.10 ; U10#2.7 v1(157.27,125.47) ; U10.8 48.89,114.6 v1(49.21,114.29) ; v1(42.42,118.03) 42.54,117.91 U10.3 U10.6 ; C7.2 225.49,122.03 v1(225.81,122.35) ; v1(170.1,197.18) 170.1,196.93 170.01,196.84 U3#2.12 ; v1(127.8,199.42) 127.8,199.47 127.05,200.22 U5#10.10 129.15,200.67 v1(129.3,200.82) ; v1(166.04,61.43) 165.79,61.18 R46.1 ; U7#4.10 v1(132.84,120.1) ; U7#4.10 U7#4.9 ; 140,61.4 138.33,61.4 v1(137.55,60.62) ; v1(143.69,82.26) 143.81,82.13 143.81,80.52 ; R41.1 R45.1 165.64,88.2 v1(165.79,88.35) ; U5#5.8 239.9,174.61 v1(240.28,174.99) ; C3#8.2 41.67,89.09 41.07,88.49 U7#9.10 ; v1(208.03,184.64) 207.77,184.64 207.71,184.58 C2#9.2 ; R18#3.1 v1(217.68,135.31) ; v1(27.38,108) 27.94,108.55 U5#7.12 U5#7.13 ; 102.79,39.59 v1(104.32,39.59) ; 100.25,194.9 100.14,194.78 U12.5 ; 100.25,194.9 101.27,194.9 101.44,194.72 U12.7 ; v1(150.29,11.39) 150.29,12.15 U3#5.8 ; 96.57,86.4 96.57,88.48 v1(96.44,88.61) ; U4#4.7 103.41,112.89 v1(103.44,112.91) ; U13#2.12 v1(93.2,131.12) ; v1(103.3,70.07) 103.62,69.75 C3#9.2 ; v1(122.03,125.61) 120.45,125.61 U2#8.7 ; U8#4.7 151.48,198.12 151.56,198.2 v1(151.81,198.2) ; U4#5.1 104.22,196.01 103.04,197.18 98.22,197.18 v1(97.96,197.44) 97.96,197.69 98.19,197.91 U12.13 98.19,200.26 96.95,201.5 96.95,203.98 v1(97.3,204.33) ; U9#4.1 80.54,22.92 v1(80.44,22.82) ; v1(123.62,61.43) 123.66,61.4 U20.2 ; v1(227.84,123.62) 227.46,124 U3#4.8 ; J3#5.8 79.36,139.88 79.36,142.93 80.12,143.69 82.66,143.69 83.32,143.03 R11.2 83.32,142.57 84.44,143.69 85.61,143.69 R12.2 86.88,142.82 87.74,143.69 89.16,143.69 R13#3.2 90.43,142.57 91.55,143.69 92.72,143.69 R14#4.2 ; R1#7.2 105.16,140.28 v1(105.27,140.39) ; U4#3.13 U4#3.12 v1(21.59,122.86) ; U8#7.4 U8#7.5 124.97,112.15 125.29,111.82 125.94,111.82 126.27,112.15 U8#7.7 v1(127.55,112.89) ; v1(150.8,205.06) 151.81,206.07 151.81,206.09 152.55,206.82 C4.2 ; U3#6.3 U3#6.6 35.24,117.96 v1(35.31,118.03) ; v1(241.55,133.53) 240.86,134.22 C3#5.2 ; R15#2.2 v1(61.74,95.43) ; v1(54.36,85.52) 54.23,85.39 U8.8 ; v1(80.44,11.14) 80.6,10.98 U10#3.1 ; U4#3.9 U4#3.10 v1(24.13,122.86) ; v1(21.08,104.83) 21.02,104.89 U1#7.7 ; C4#6.2 v1(9.4,104.32) ; U1#8.7 v1(103.68,125.33) ; 147.62,75.37 147.62,76.8 v1(147.75,76.92) ; U21#2.13 U21#2.11 ; v1(143.83,165.89) R1#3.2 R4#6.2 ; v1(37.85,114.22) 37.78,114.28 U3#6.8 ; C1#4.2 32,123.62 v1(32.51,124.13) ; U2#2.7 139.62,14.06 v1(139.46,14.22) ; U15#2.7 U15#2.10 120.24,73.19 v1(120.32,73.11) ; C2#4.2 104.82,206.07 103.81,207.09 v1(103.81,207.85) ; U4#3.7 v1(26.67,114.22) ; U3#5.13 U3#5.14 154.57,8.81 v1(154.61,8.85) ; U10#3.10 v1(94.57,10.98) ; U20.8 133.66,61.3 v1(134.8,60.16) ; U3#10.7 v1(112.57,125.33) ; C3#3.2 v1(187.37,206.58) ; v1(133.78,90.39) 133.66,90.26 U16#2.8 ; v1(128.7,10.63) 129.84,11.77 U8#6.10 ; v1(23.11,111.69) 23.11,111.68 C2#2.2 ; 142.54,80.52 145.08,80.52 ; v1(143.91,125.33) U12#4.7 142.52,124.64 142.15,124.27 140.9,124.27 140.57,124.59 U12#4.4 ; v1(139.7,163.25) C2#10.2 138.36,160.63 U2.7 ; R18.1 v1(217.68,182.61) ; U2#9.10 94.25,196.01 v1(94.92,196.67) ; U9#4.10 v1(94.57,22.92) ; v1(51.31,114.48) R14#5.2 R10#6.2 R13#4.2 v1(60.45,114.48) ; U1#7.1 v1(12.19,103.05) ; 193.7,210.14 v1(191.44,210.14) ; U2#6.8 v1(215.26,123.75) ; U2#5.8 v1(215.26,171.05) ; R9#5.2 R2#2.2 39.77,111.33 v1(39.62,111.18) ; U2.6 U2.10 ; 142.54,93.72 145.08,93.72